# Altium PCB Flow_Pump.PcbDoc (part 4 of 5)
Units mm, origin at the board's own origin, x right, y up, seen from the top; angles counter-clockwise.
Board outline 203 x 203 mm, 2 copper layers (Top Layer, Bottom Layer); 257 components, 182 nets, 857 pads, 2320 vias.
Unrouted connection lines stored in the file: 1.
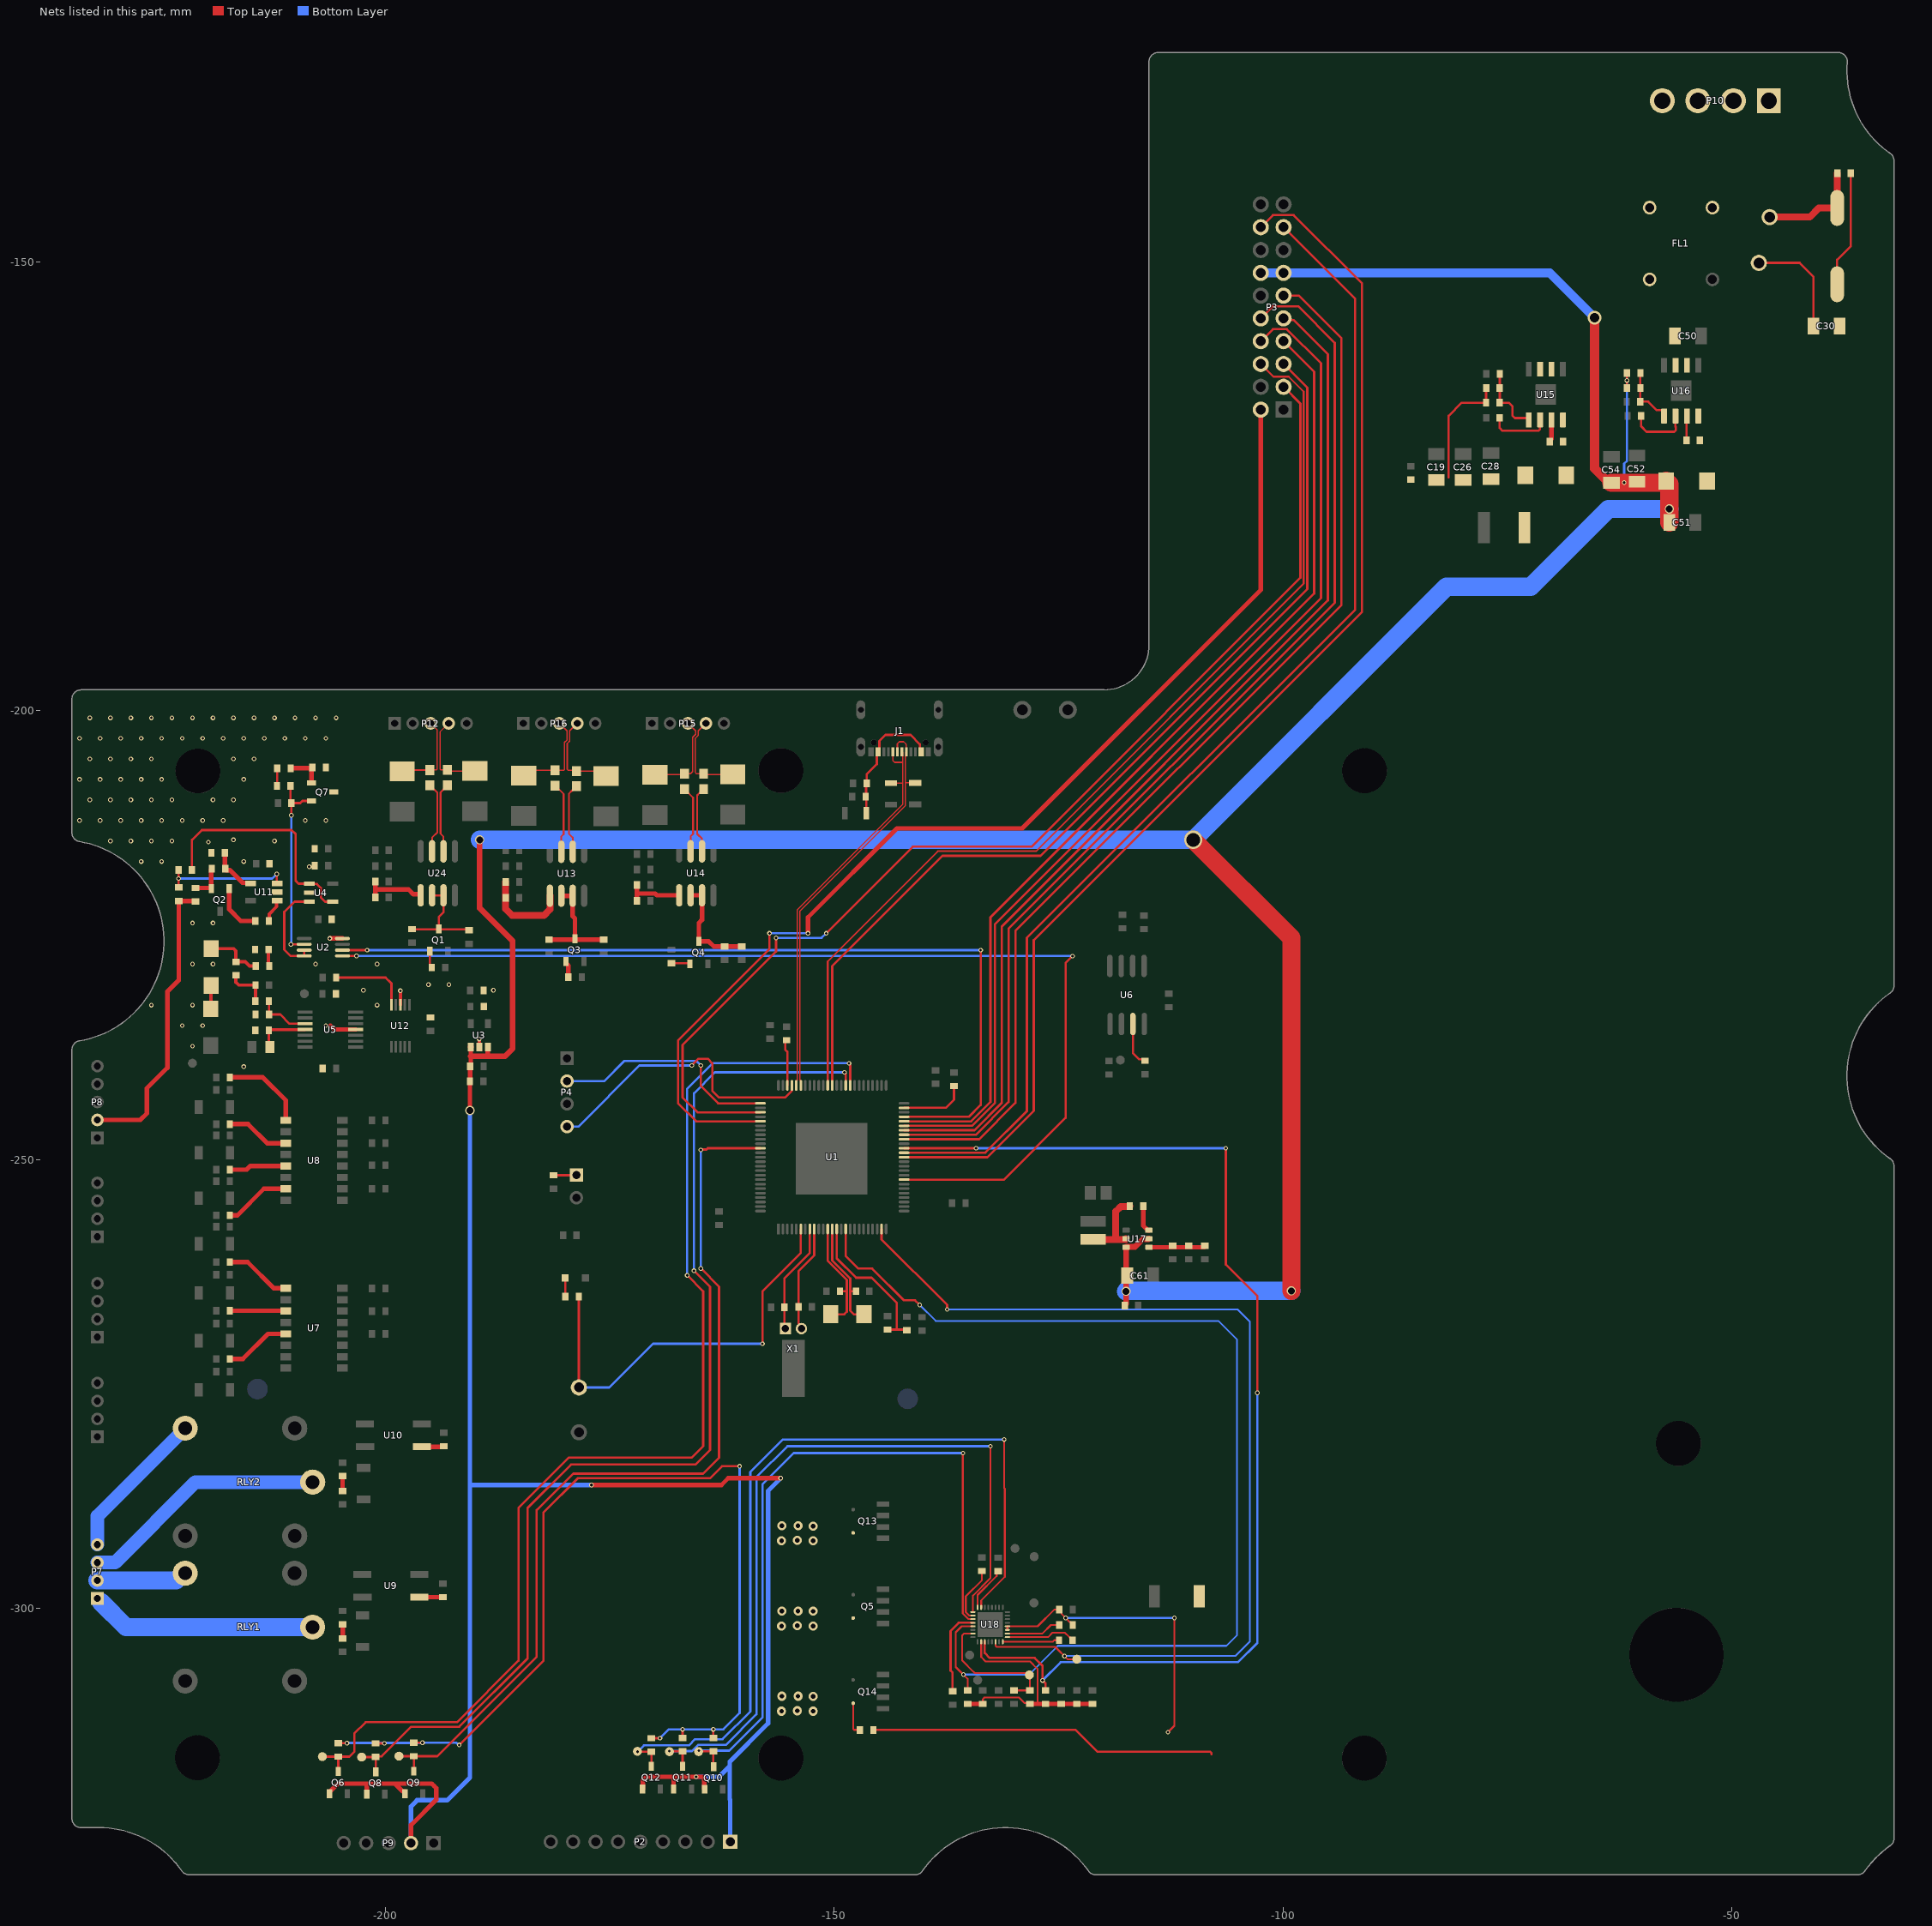
[diagram p4: the nets of this part, all layers, seen from the top]

## Via types
v1: diameter 0.508, hole 0.305, Top Layer to Bottom Layer, tented both sides, 2140 vias
v2: diameter 0.508, hole 0.305, Top Layer to Bottom Layer, 84 vias
v3: diameter 1.016, hole 0.508, Top Layer to Bottom Layer, tented both sides, 73 vias
v4: diameter 1.016, hole 0.762, Top Layer to Bottom Layer, 11 vias
v5: diameter 0.5, hole 0.2, Top Layer to Bottom Layer, 8 vias
v6: diameter 2.032, hole 1.524, Top Layer to Bottom Layer, 3 vias
v7: diameter 1.524, hole 1.016, Top Layer to Bottom Layer, 1 vias

## Nets (pads, with @x,y where several pads share a name; then routed paths per layer and width w, separated by ;. In a path a pad name is that pad's centre, name@x,y a point inside that pad or via, vN(x,y) a via of type N, cw(c..) or ccw(c..) an arc to the next point about the centre after c; other vN are vias at no path point) (continued)
ISO_GND: C12.2 C13.2 C24.2 C25.1 C27.2 C29.2 C46.2 C65.2 C69.2 C70.2 Q7.3 R12.1 R20.1 R25.2 R85.2 U2.8 U3.2 U4.2 U5.11 U11.2 U12.3 | length 6.9
  Top Layer w0.381: U12.3@-198.323,-232.752 v1(-198.323,-231.191) ; U3.2@-189.535,-237.463 v1@-189.535,-236.567
  Top Layer w0.508: v1(-206.182,-225.364) U2.8@-204.777,-225.364 ; -206.121,-235.077 -205.689,-235.509 U5.11@-203.285,-235.509
  other v1: -215.773,-239.649 -221.488,-237.363 -189.535,-236.563 -222.631,-235.077 -220.345,-235.077 -206.629,-235.077 -226.06,-232.791 -221.488,-232.791 -200.914,-232.791 -187.96,-231.14 -195.199,-230.505 -192.913,-230.505 -221.488,-228.219 -219.202,-228.219 -207.772,-228.219 -200.914,-228.219 -221.488,-223.647 -219.202,-223.647 -208.479,-217.373 -227.203,-216.789 -224.917,-216.789 -215.773,-216.789 -219.71,-214.63 -230.632,-214.503 -228.346,-214.503 -226.06,-214.503 -223.774,-214.503 -212.344,-214.503 -216.916,-214.376 -234.061,-212.217 -231.775,-212.217 -229.489,-212.217 -227.203,-212.217 -224.917,-212.217 -222.631,-212.217 -220.345,-212.217 -218.059,-212.217 -208.915,-212.217 -206.629,-212.217 -232.918,-209.931 -230.632,-209.931 -228.346,-209.931 -226.06,-209.931 -223.774,-209.931 -219.202,-209.931 -216.916,-209.931 -234.061,-207.645 -231.775,-207.645 -229.489,-207.645 -227.203,-207.645 -224.917,-207.645 -215.773,-207.645 -232.918,-205.359 -230.632,-205.359 -228.346,-205.359 -226.06,-205.359 -216.916,-205.359 -214.63,-205.359 -234.061,-203.073 -231.775,-203.073 -229.489,-203.073 -227.203,-203.073 -224.917,-203.073 -222.631,-203.073 -220.345,-203.073 -218.059,-203.073 -215.773,-203.073 -213.487,-203.073 -211.201,-203.073 -208.915,-203.073 -206.629,-203.073 -232.918,-200.787 -230.632,-200.787 -228.346,-200.787 -226.06,-200.787 -223.774,-200.787 -221.488,-200.787 -219.202,-200.787 -216.916,-200.787 -214.63,-200.787 -212.344,-200.787 -210.058,-200.787 -207.772,-200.787 -205.486,-200.787
  other v2: -202.438,-231.14
KEYA: P3.5 U1.63 | length 109.8
  Top Layer w0.254: U1.63@-150.21,-241.734 -150.21,-228.442 -137.922,-216.154 -127,-216.154 -97.282,-186.436 -97.282,-164.008 P3.5@-99.924,-161.366
KEYB: P3.6 U1.64 | length 111.7
  Top Layer w0.203: U1.64@-150.71,-241.734 -150.71,-227.926 -138.43,-215.646 -127.508,-215.646 -97.688,-185.826 -97.688,-164.44 -99.35,-162.778 -101.052,-162.778 P3.6@-102.464,-161.366
KEYSW: P3.7 U1.46 | length 111.6
  Top Layer w0.254: U1.46@-142.21,-245.734 -134.736,-245.734 -132.588,-243.586 -132.588,-223.012 -96.52,-186.944 -96.52,-162.23 P3.7@-99.924,-158.826
LATCH_AO: U1.33 U2.5 | length 120.5
  Top Layer w0.254: U2.5@-204.777,-227.315 v1(-203.215,-227.315) ; U1.33@-142.21,-252.234 -131.076,-252.234 -124.206,-245.364 -124.206,-228.092 v1(-123.444,-227.33)
  Bottom Layer w0.254: v1(-203.215,-227.315) -123.459,-227.315 v1(-123.444,-227.33)
MCU_REF: Q7.2 R82.2 R83.1 U2.2 | length 21.5
  Top Layer w0.254: R83.1@-210.565,-208.382 -210.565,-210.185 R82.2@-210.463,-210.287 ; v1(-210.51,-226.015) U2.2@-209.039,-226.015 ; v1(-210.463,-211.634) R82.2@-210.463,-210.287 ; Q7.2@-208.24,-210.042 -209.229,-210.042 -209.474,-210.287 R82.2@-210.463,-210.287
  Bottom Layer w0.254: v1@-210.463,-226.008 v1(-210.463,-211.634)
MEA: Q6.3 R24.2 S_RX.1 U1.59 | length 131.8
  Top Layer w0.254: S_RX.1@-207.01,-316.515 R24.2@-205.232,-316.515 ; Q6.3@-205.232,-318.166 R24.2@-205.232,-316.515 ; v2(-166.37,-262.89) -164.592,-264.668 -164.592,-281.94 -165.862,-283.21 -179.578,-283.21 -185.166,-288.798 -185.166,-305.816 -192.024,-312.674 -202.184,-312.674 -203.454,-313.944 -203.454,-315.976 -203.993,-316.515 R24.2@-205.232,-316.515 ; v2(-148.336,-239.268) -148.336,-239.337 -148.21,-239.463 U1.59@-148.21,-241.734
  Bottom Layer w0.254: v2(-166.37,-262.89) -166.37,-242.111 -163.527,-239.268 v2(-148.336,-239.268)
MEB: Q8.3 R38.2 S_RX1.1 U1.60 | length 124.2
  Top Layer w0.254: S_RX1.1@-202.641,-316.566 -201.091,-316.566 R38.2@-201.067,-316.542 ; Q8.3@-201.067,-318.217 R38.2@-201.067,-316.542 ; v2(-165.608,-262.382) -163.83,-264.16 -163.83,-282.362 -165.44,-283.972 -179.324,-283.972 -184.15,-288.798 -184.15,-305.562 -191.77,-313.182 -197.104,-313.182 -200.409,-316.487 -201.012,-316.487 R38.2@-201.067,-316.542 ; v2(-148.844,-240.284) -148.71,-240.418 U1.60@-148.71,-241.734
  Bottom Layer w0.254: v2(-165.608,-262.382) -165.608,-242.614 -163.278,-240.284 v2(-148.844,-240.284)
MEZ: Q9.3 R39.2 S_RX2.1 U1.86 | length 102.5
  Top Layer w0.254: S_RX2.1@-198.476,-316.466 R39.2@-196.825,-316.466 ; Q9.3@-196.825,-318.141 R39.2@-196.825,-316.466 ; v2(-164.846,-262.128) -162.814,-264.16 -162.814,-283.21 -164.592,-284.988 -179.07,-284.988 -183.134,-289.052 -183.134,-305.384 -194.216,-316.466 R39.2@-196.825,-316.466 ; v2(-164.846,-248.92) -164.797,-248.871 -164.221,-248.871 -164.083,-248.734 U1.86@-158.21,-248.734
  Bottom Layer w0.254: v2(-164.846,-262.128) v2(-164.846,-248.92)
MFAULT: R60.1 U1.16 U18.21 | length 124.9
  Top Layer w0.203: R60.1@-135.128,-309.143 -135.128,-307.848 -136.449,-306.527 -136.449,-302.666 -135.783,-302.001 U18.21@-134.531,-302.001
  Top Layer w0.254: U1.16@-148.71,-257.734 -148.71,-260.738 -147.309,-262.139 -145.754,-262.139 -142.209,-265.684 -140.97,-265.684 v2(-140.462,-266.192)
  Bottom Layer w0.203: v2(-140.462,-266.192) -138.684,-267.97 -107.188,-267.97 -105.105,-270.053 -105.105,-302.971 -106.299,-304.165 -125.07,-304.165 -128.27,-307.365 v1(-135.585,-307.365)
MSR0: D7.2 R19.2 R22.2 | length 6.5
  Top Layer w0.381: D7.2@-219.405,-226.499 -216.909,-226.499 -216.637,-226.771 R22.2@-216.637,-227.965 -215.595,-227.965 -215.125,-228.435 -214.439,-228.435 R19.2@-214.427,-228.448
MU: Q10.3 R92.2 S_RX3.1 U18.19 | length 81
  Top Layer w0.203: v2(-135.636,-282.702) -135.661,-282.727 -135.661,-300.562 -135.023,-301.201 U18.19@-134.531,-301.201
  Top Layer w0.254: S_RX3.1@-165.1,-315.951 -165.082,-315.932 R92.2@-163.453,-315.932 -163.453,-317.609 Q10.3@-163.414,-317.647
  Bottom Layer w0.254: v1(-165.075,-315.849) -161.671,-315.849 -157.963,-312.141 -157.963,-286.156 -154.508,-282.702 v2(-135.636,-282.702)
MV: Q11.3 R93.2 S_RX4.1 U18.17 | length 87.7
  Top Layer w0.203: U18.17@-134.531,-300.401 -134.531,-298.564 -132.588,-296.621 v2(-132.588,-281.94)
  Top Layer w0.254: S_RX4.1@-168.351,-315.956 -168.327,-315.932 R93.2@-166.878,-315.932 Q11.3@-166.878,-317.607
  Bottom Layer w0.254: v1(-168.351,-315.9) -165.844,-315.9 -165.133,-315.189 -162.027,-315.189 -158.648,-311.81 -158.648,-285.394 -155.194,-281.94 v2(-132.588,-281.94)
MW: Q12.3 R94.2 S_RX5.1 U18.15 | length 93.9
  Top Layer w0.203: U18.15@-133.613,-299.883 -133.613,-299.12 -130.988,-296.494 -130.988,-286.664 -131.064,-286.588 v2(-131.064,-281.178)
  Top Layer w0.254: S_RX5.1@-171.91,-315.932 -171.886,-315.956 R94.2@-170.36,-315.956 Q12.3@-170.36,-317.607
  Bottom Layer w0.254: v1(-171.907,-315.976) -171.196,-315.265 -166.167,-315.265 -165.481,-314.579 -162.433,-314.579 -159.334,-311.48 -159.334,-284.81 -155.702,-281.178 v2(-131.064,-281.178)
nBREAK: T2.1 U1.24 U18.30 | length 113.4
  Top Layer w0.203: U18.30@-132.013,-303.718 -132.013,-304.155 -131.877,-304.292 -125.374,-304.292 -123.977,-305.689 T2.1@-122.961,-305.689
  Top Layer w0.254: U1.24@-144.71,-257.734 -144.71,-258.896 -137.414,-266.192 v2(-137.414,-266.7)
  Bottom Layer w0.203: v2(-137.414,-266.7) -105.036,-266.7 -103.683,-268.053 -103.683,-303.682 -105.308,-305.308 v1(-124.333,-305.308)
NetC1_1: C1.1 U1.12 Y1.2 | length 12.8
  Top Layer w0.254: U1.12@-150.71,-257.734 -150.71,-261.278 -148.59,-263.398 -148.59,-264.681 ; Y1.2@-150.387,-267.233 -148.869,-267.233 -148.59,-266.954 -148.59,-264.681 ; C1.1@-149.352,-264.668 -148.603,-264.668 -148.59,-264.681
NetC2_1: C2.1 U1.13 Y1.1 | length 12.1
  Top Layer w0.254: U1.13@-150.21,-257.734 -150.21,-261.239 -148.209,-263.24 -148.209,-266.827 -147.803,-267.233 Y1.1@-146.687,-267.233 ; -148.074,-264.668 C2.1@-147.574,-264.668
NetC18_1: C18.1 U15.7 | length 2.5
  Top Layer w0.508: C18.1@-70.282,-170.002 -70.282,-169.927 -70.079,-169.724 U15.7@-70.079,-167.595
NetC18_2: C18.2 L1.1 U15.8
NetC19_1: C19.1 C26.1 C28.1 C40.1 C41.1 F2.1 L1.2 R51.2 | length 13.3
  Top Layer w0.254: -81.534,-173.99 -81.534,-167.132 -80.086,-165.684 R51.2@-77.37,-165.684 -77.357,-165.671 -77.357,-164.071 C40.1@-77.344,-164.059
NetC20_2: C20.2 U1.49 | length 7.5
  Top Layer w0.254: U1.49@-142.21,-244.234 -137.554,-244.234 -136.652,-243.332 C20.2@-136.652,-241.808
NetC21_2: C21.2 R69.2 U1.14 | length 17.2
  Top Layer w0.254: U1.14@-149.71,-257.734 -149.71,-261.008 -147.554,-263.164 -145.817,-263.164 -143.015,-265.967 -143.015,-268.937 ; C21.2@-144.043,-268.937 -143.015,-268.937 ; R69.2@-141.91,-269.013 -141.986,-268.937 -143.015,-268.937
NetC23_1: C23.1 R22.1 R23.2 | length 4.9
  Top Layer w0.381: R22.1@-216.637,-229.465 -216.637,-230.226 -216.303,-230.559 C23.1@-214.454,-230.559 -214.454,-232.316 R23.2@-214.486,-232.347
NetC25_2: C25.2 R23.1 U5.3 | length 6
  Top Layer w0.254: R23.1@-212.986,-232.347 -212.962,-232.371 C25.2@-212.962,-233.834 -211.707,-233.834 -210.682,-234.859 U5.3@-208.924,-234.859
NetC38_2: C38.2 R42.1 | length 1.6
  Top Layer w0.508: R42.1@-204.755,-303.346 -204.749,-303.341 C38.2@-204.749,-301.779
NetC39_2: C39.2 R43.1 | length 1.7
  Top Layer w0.508: R43.1@-204.775,-286.917 -204.755,-286.897 C39.2@-204.755,-285.264
NetC40_2: C40.2 R51.1 R52.2 U15.5 | length 7.9
  Top Layer w0.254: R52.2@-75.843,-162.484 -75.843,-165.307 -75.94,-165.404 -75.94,-165.614 R51.1@-75.87,-165.684 -74.854,-165.684 -74.422,-166.116 -74.422,-167.132 -74.168,-167.386 -72.817,-167.386 -72.619,-167.584 U15.5@-72.619,-167.595
NetC43_1: C43.1 U15.6 | length 6.9
  Top Layer w0.254: C43.1@-75.844,-167.361 -75.844,-168.504 -75.543,-168.805 -71.523,-168.805 -71.374,-168.656 -71.374,-167.62 U15.6@-71.349,-167.595
NetC47_1: C47.1 R1.2 U1.6 | length 47.2
  Top Layer w0.254: C47.1@-178.435,-275.387 R1.2@-178.434,-265.253 ; v2(-157.988,-270.51) -157.988,-264.668 -153.71,-260.39 U1.6@-153.71,-257.734
  Bottom Layer w0.254: C47.1@-178.435,-275.387 -175.057,-275.387 -170.18,-270.51 v2(-157.988,-270.51)
NetC48_2: C48.2 U1.73 | length 5.2
  Top Layer w0.254: C48.2@-155.296,-236.703 -155.448,-236.855 -155.448,-237.744 -155.21,-237.982 U1.73@-155.21,-241.734
NetC49_1: C49.1 U16.7 | length 2.7
  Top Layer w0.254: C49.1@-55.043,-169.875 -55.017,-169.849 -55.017,-167.189 U16.7@-54.991,-167.163
NetC49_2: C49.2 L2.1 U16.8
NetC55_2: C55.2 R53.1 R54.2 U16.5 | length 6.8
  Top Layer w0.254: C55.2@-60.171,-162.357 -60.185,-162.37 -60.185,-165.544 R54.2@-60.198,-165.557 -59.306,-165.557 -58.349,-166.514 -57.729,-166.514 -57.531,-166.712 U16.5@-57.531,-167.163
NetC57_1: C57.1 U16.6 | length 6.9
  Top Layer w0.254: C57.1@-60.096,-167.157 -60.096,-168.3 -59.487,-168.91 -56.388,-168.91 -56.239,-168.761 -56.239,-168.391 -56.261,-168.369 U16.6@-56.261,-167.163
NetC58_1: C58.1 U17.6 | length 3
  Top Layer w0.508: C58.1@-115.564,-255.177 -115.564,-257.361 -115.055,-257.869 U17.6@-114.93,-257.869
NetC58_2: C58.2 L3.1 U17.2 | length 8.7
  Top Layer w0.762: L3.1@-121.153,-258.895 -118.781,-258.895 ; U17.2@-117.48,-258.819 -117.48,-258.876 -117.499,-258.895 -118.781,-258.895 ; C58.2@-117.064,-255.177 -117.064,-255.19 -117.095,-255.221 -118.061,-255.221 -118.618,-255.778 -118.618,-258.731 -118.781,-258.895
NetC62_2: C62.2 R55.1 R56.2 U17.4 | length 6.3
  Top Layer w0.508: U17.4@-114.93,-259.769 -112.39,-259.769 -110.587,-259.769 -108.76,-259.769 R56.2@-108.668,-259.677
NetC64_1: C64.1 U18.32 | length 6.3
  Top Layer w0.203: U18.32@-131.213,-303.718 -125.641,-303.718 -125.476,-303.553 C64.1@-124.944,-303.553
NetC64_2: C64.2 U18.1 | length 7.8
  Top Layer w0.203: U18.1@-130.696,-303.201 -126.163,-303.201 -125.679,-302.717 -124.28,-302.717 -123.767,-303.23 -123.692,-303.23 -123.444,-303.478 C64.2@-123.444,-303.553
NetC71_1: C71.1 U18.2 | length 6.2
  Top Layer w0.203: U18.2@-130.696,-302.801 -126.792,-302.801 -125.843,-301.852 C71.1@-124.917,-301.852
NetD1_2: D1.2 R1.1 | length 2.1
  Top Layer w0.254: D1.2@-179.966,-263.195 -179.934,-263.228 R1.1@-179.934,-265.252
NetD6_2: D6.2 D7.1 | length 2.6
  Top Layer w0.381: D6.2@-219.456,-233.205 -219.405,-233.154 D7.1@-219.405,-230.599
NetFB1_1: FB1.1 U24.6 | length 7.8
  Top Layer w0.203: U24.6@-193.523,-215.66 -193.523,-214.02 -193.853,-213.69 -193.853,-209.093 -193.489,-208.729 -193.489,-208.677 FB1.1@-193.091,-208.278
NetFB3_1: FB3.1 U24.7 | length 8
  Top Layer w0.203: FB3.1@-195.021,-208.304 -195.021,-208.354 -194.623,-208.752 -194.573,-208.752 -194.208,-209.116 -194.208,-213.538 -194.793,-214.122 U24.7@-194.793,-215.66
NetFB4_1: FB4.1 U13.6 | length 7.9
  Top Layer w0.203: U13.6@-179.121,-215.711 -179.121,-214.122 -179.553,-213.69 -179.553,-209.243 -179.163,-208.854 -179.113,-208.854 -178.714,-208.455 FB4.1@-178.714,-208.405
NetFB5_1: FB5.1 U14.6 | length 7.5
  Top Layer w0.203: U14.6@-164.719,-215.66 -164.723,-215.655 -164.723,-214.245 -165.252,-213.716 -165.252,-209.421 -164.99,-209.158 -164.94,-209.158 -164.541,-208.76 FB5.1@-164.541,-208.71
NetFB6_1: FB6.1 U13.7 | length 7.9
  Top Layer w0.203: FB6.1@-181.077,-208.329 -181.077,-208.379 -180.678,-208.777 -180.628,-208.777 -180.137,-209.269 -180.137,-213.741 -180.391,-213.995 U13.7@-180.391,-215.711
NetFB7_1: FB7.1 U14.7 | length 7.5
  Top Layer w0.203: FB7.1@-166.675,-208.71 -166.675,-208.76 -166.276,-209.158 -166.226,-209.158 -165.71,-209.675 -165.71,-213.716 -165.989,-213.995 U14.7@-165.989,-215.66
NetP1_1: P1.1 R2.2 | length 2.6
  Top Layer w0.254: R2.2@-181.254,-251.739 -178.74,-251.739 P1.1@-178.714,-251.714
NetQ1_1: Q1.1 R5.2 | length 1.9
  Top Layer w0.254: Q1.1@-195.031,-226.807 -195.031,-228.389 R5.2@-194.819,-228.6
NetQ1_3: Q1.3 R4.1 R77.2 U24.2 U24.3 | length 11.6
  Top Layer w0.254: R77.2@-197.028,-224.333 -190.805,-224.333 R4.1@-190.678,-224.46 ; U24.2@-194.793,-220.56 U24.3@-193.523,-220.56 -193.523,-222.453 -194.031,-222.961 Q1.3@-194.031,-224.307
NetQ2_1: Q2.1 R8.1 | length 5.7
  Top Layer w0.508: Q2.1@-217.389,-219.826 -217.389,-222.132 -216.103,-223.418 R8.1@-214.479,-223.418
NetQ2_2: Q2.2 R9.1 R13.2 | length 4
  Top Layer w0.508: R9.1@-221.132,-219.735 -219.435,-219.735 Q2.2@-219.389,-219.781 ; Q2.2@-219.389,-219.826 Q2.2@-219.389,-219.781 ; R13.2@-219.33,-217.576 -219.389,-217.635 Q2.2@-219.389,-219.781
NetQ3_1: Q3.1 R47.2 | length 1.9
  Top Layer w0.508: Q3.1@-179.876,-227.914 -179.876,-228.114 -179.605,-228.386 R47.2@-179.605,-229.667
NetQ3_3: Q3.3 R16.1 R49.2 U13.2 U13.3 | length 12.4
  Top Layer w0.508: R49.2@-181.762,-225.5 Q3.3@-178.876,-225.5 ; U13.2@-180.391,-220.611 U13.3@-179.121,-220.611 -179.121,-222.885 -178.876,-223.13 Q3.3@-178.876,-225.414 Q3.3@-178.876,-225.5 ; R16.1@-175.666,-225.5 Q3.3@-178.876,-225.5
NetQ4_1: Q4.1 R48.2 | length 2.1
  Top Layer w0.254: R48.2@-168.123,-228.117 -166.141,-228.117 Q4.1@-166.065,-228.194
NetQ4_3: Q4.3 R17.1 R50.2 U14.2 U14.3 | length 11.5
  Top Layer w0.508: U14.2@-165.989,-220.56 U14.3@-164.719,-220.56 -164.719,-223.291 -165.065,-223.638 Q4.3@-165.065,-225.694 -163.968,-225.694 -163.4,-226.262 R50.2@-162.204,-226.262 R17.1@-160.299,-226.262
NetQ7_1: Q7.1 R84.2 R85.1 | length 4.1
  Top Layer w0.508: R84.2@-210.541,-206.4 R85.1@-208.225,-206.4 ; Q7.1@-208.24,-208.042 -208.24,-206.485 -208.129,-206.374 R85.1@-208.129,-206.299
NetR6_1: R6.1 R7.2 U11.3 | length 14.2
  Top Layer w0.254: R7.2@-223.037,-217.729 v2(-223.037,-218.693) -223.037,-219.658 R6.1@-223.012,-219.683 ; v2(-212.09,-218.186) -212.09,-219.215 U11.3@-212.063,-219.243
  Bottom Layer w0.254: v2(-223.037,-218.693) -212.597,-218.693 v2(-212.09,-218.186)
NetR7_1: R7.1 U4.1 U4.4 | length 26.5
  Top Layer w0.254: R7.1@-221.537,-217.729 -221.537,-214.375 -220.447,-213.284 -210.439,-213.284 -209.979,-213.743 -209.979,-218.95 -209.661,-219.269 U4.1@-208.462,-219.269 -208.438,-219.293 -207.63,-219.293 -207.188,-219.735 -207.188,-220.802 -206.721,-221.269 U4.4@-205.862,-221.269
NetR8_2: R8.2 U11.1 | length 2.7
  Top Layer w0.381: R8.2@-212.979,-223.418 -212.942,-223.382 -212.942,-222.645 -212.113,-221.816 -212.113,-221.193 U11.1@-212.063,-221.143
NetR11_2: R11.2 U6.7 | length 4.9
  Top Layer w0.254: U6.7@-116.713,-234.896 -116.713,-238.125 -116.011,-238.827 -115.528,-238.827 R11.2@-115.367,-238.989
NetR12_2: R12.2 R13.1 U11.4 | length 5.3
  Top Layer w0.508: R12.2@-217.881,-215.824 -217.881,-217.526 R13.1@-217.83,-217.576 -217.83,-217.651 -217.734,-217.747 -217.329,-217.747 -215.902,-219.174 -215.081,-219.174 U11.4@-215.013,-219.243
NetR14_1: R14.1 R18.1 U13.1 | length 10
  Top Layer w0.762: R14.1@-186.588,-219.083 R18.1@-186.588,-220.853 -186.588,-222.072 -185.877,-222.783 -182.321,-222.783 -181.661,-222.123 U13.1@-181.661,-220.611
NetR15_1: R15.1 R46.1 U14.1 | length 6.5
  Top Layer w0.508: R46.1@-171.958,-221.158 -171.958,-220.29 ; R15.1@-171.958,-219.422 -171.958,-220.29 ; U14.1@-167.259,-220.56 -169.742,-220.56 -169.95,-220.352 -171.896,-220.352 -171.958,-220.29
NetR19_1: R19.1 R20.2 | length 1.9
  Top Layer w0.381: R20.2@-213.003,-226.593 -213.003,-228.371 R19.1@-212.927,-228.448
NetR21_1: R21.1 U12.5 | length 8.8
  Top Layer w0.254: R21.1@-205.485,-229.718 -199.974,-229.718 -199.323,-230.368 U12.5@-199.323,-232.752
NetR26_1: R26.1 U7.1 | length 7.4
  Top Layer w0.508: R26.1@-217.332,-261.417 -215.341,-261.417 -212.42,-264.338 U7.1@-211.093,-264.338
NetR28_1: R28.1 U8.1 | length 9.5
  Top Layer w0.508: R28.1@-217.332,-240.843 -213.639,-240.843 -211.093,-243.389 U8.1@-211.093,-245.632
NetR30_1: R30.1 U7.3 | length 6.3
  Top Layer w0.508: R30.1@-217.332,-266.841 -211.13,-266.841 U7.3@-211.093,-266.878
NetR32_1: R32.1 U8.3 | length 7.1
  Top Layer w0.508: R32.1@-217.332,-246.05 -215.29,-246.05 -213.168,-248.172 U8.3@-211.093,-248.172
NetR34_1: R34.1 U7.5 | length 7.4
  Top Layer w0.508: R34.1@-217.332,-272.212 -215.875,-272.212 -213.081,-269.418 U7.5@-211.093,-269.418
NetR36_1: R36.1 U8.5 | length 6.4
  Top Layer w0.508: R36.1@-217.332,-251.13 -215.443,-251.13 -215.025,-250.712 U8.5@-211.093,-250.712
NetR40_1: R40.1 U8.7 | length 7.5
  Top Layer w0.508: R40.1@-217.332,-256.21 -216.484,-256.21 -213.526,-253.252 U8.7@-211.093,-253.252
NetR44_1: R44.1 U9.1 | length 2.6
  Top Layer w0.508: U9.1@-196.218,-298.75 R44.1@-193.599,-298.75
NetR45_1: R45.1 U10.1 | length 2.5
  Top Layer w0.508: U10.1@-195.936,-281.991 -193.523,-281.991 R45.1@-193.472,-281.94
NetR61_1: R61.1 U18.20 | length 9.7
  Top Layer w0.254: R61.1@-136.804,-309.244 -136.804,-307.162 -137.033,-306.934 -137.033,-302.514 -136.12,-301.601 U18.20@-134.531,-301.601